# Altium PCB controller_V1.3.1.PcbDoc (part 6 of 7)
Units mm, origin at the board's own origin, x right, y up, seen from the top; angles counter-clockwise.
Board outline 244 x 150 mm, 2 copper layers (Top Layer, Bottom Layer), stack 1.98 mm thick; 438 components, 367 nets, 1493 pads, 9629 vias.
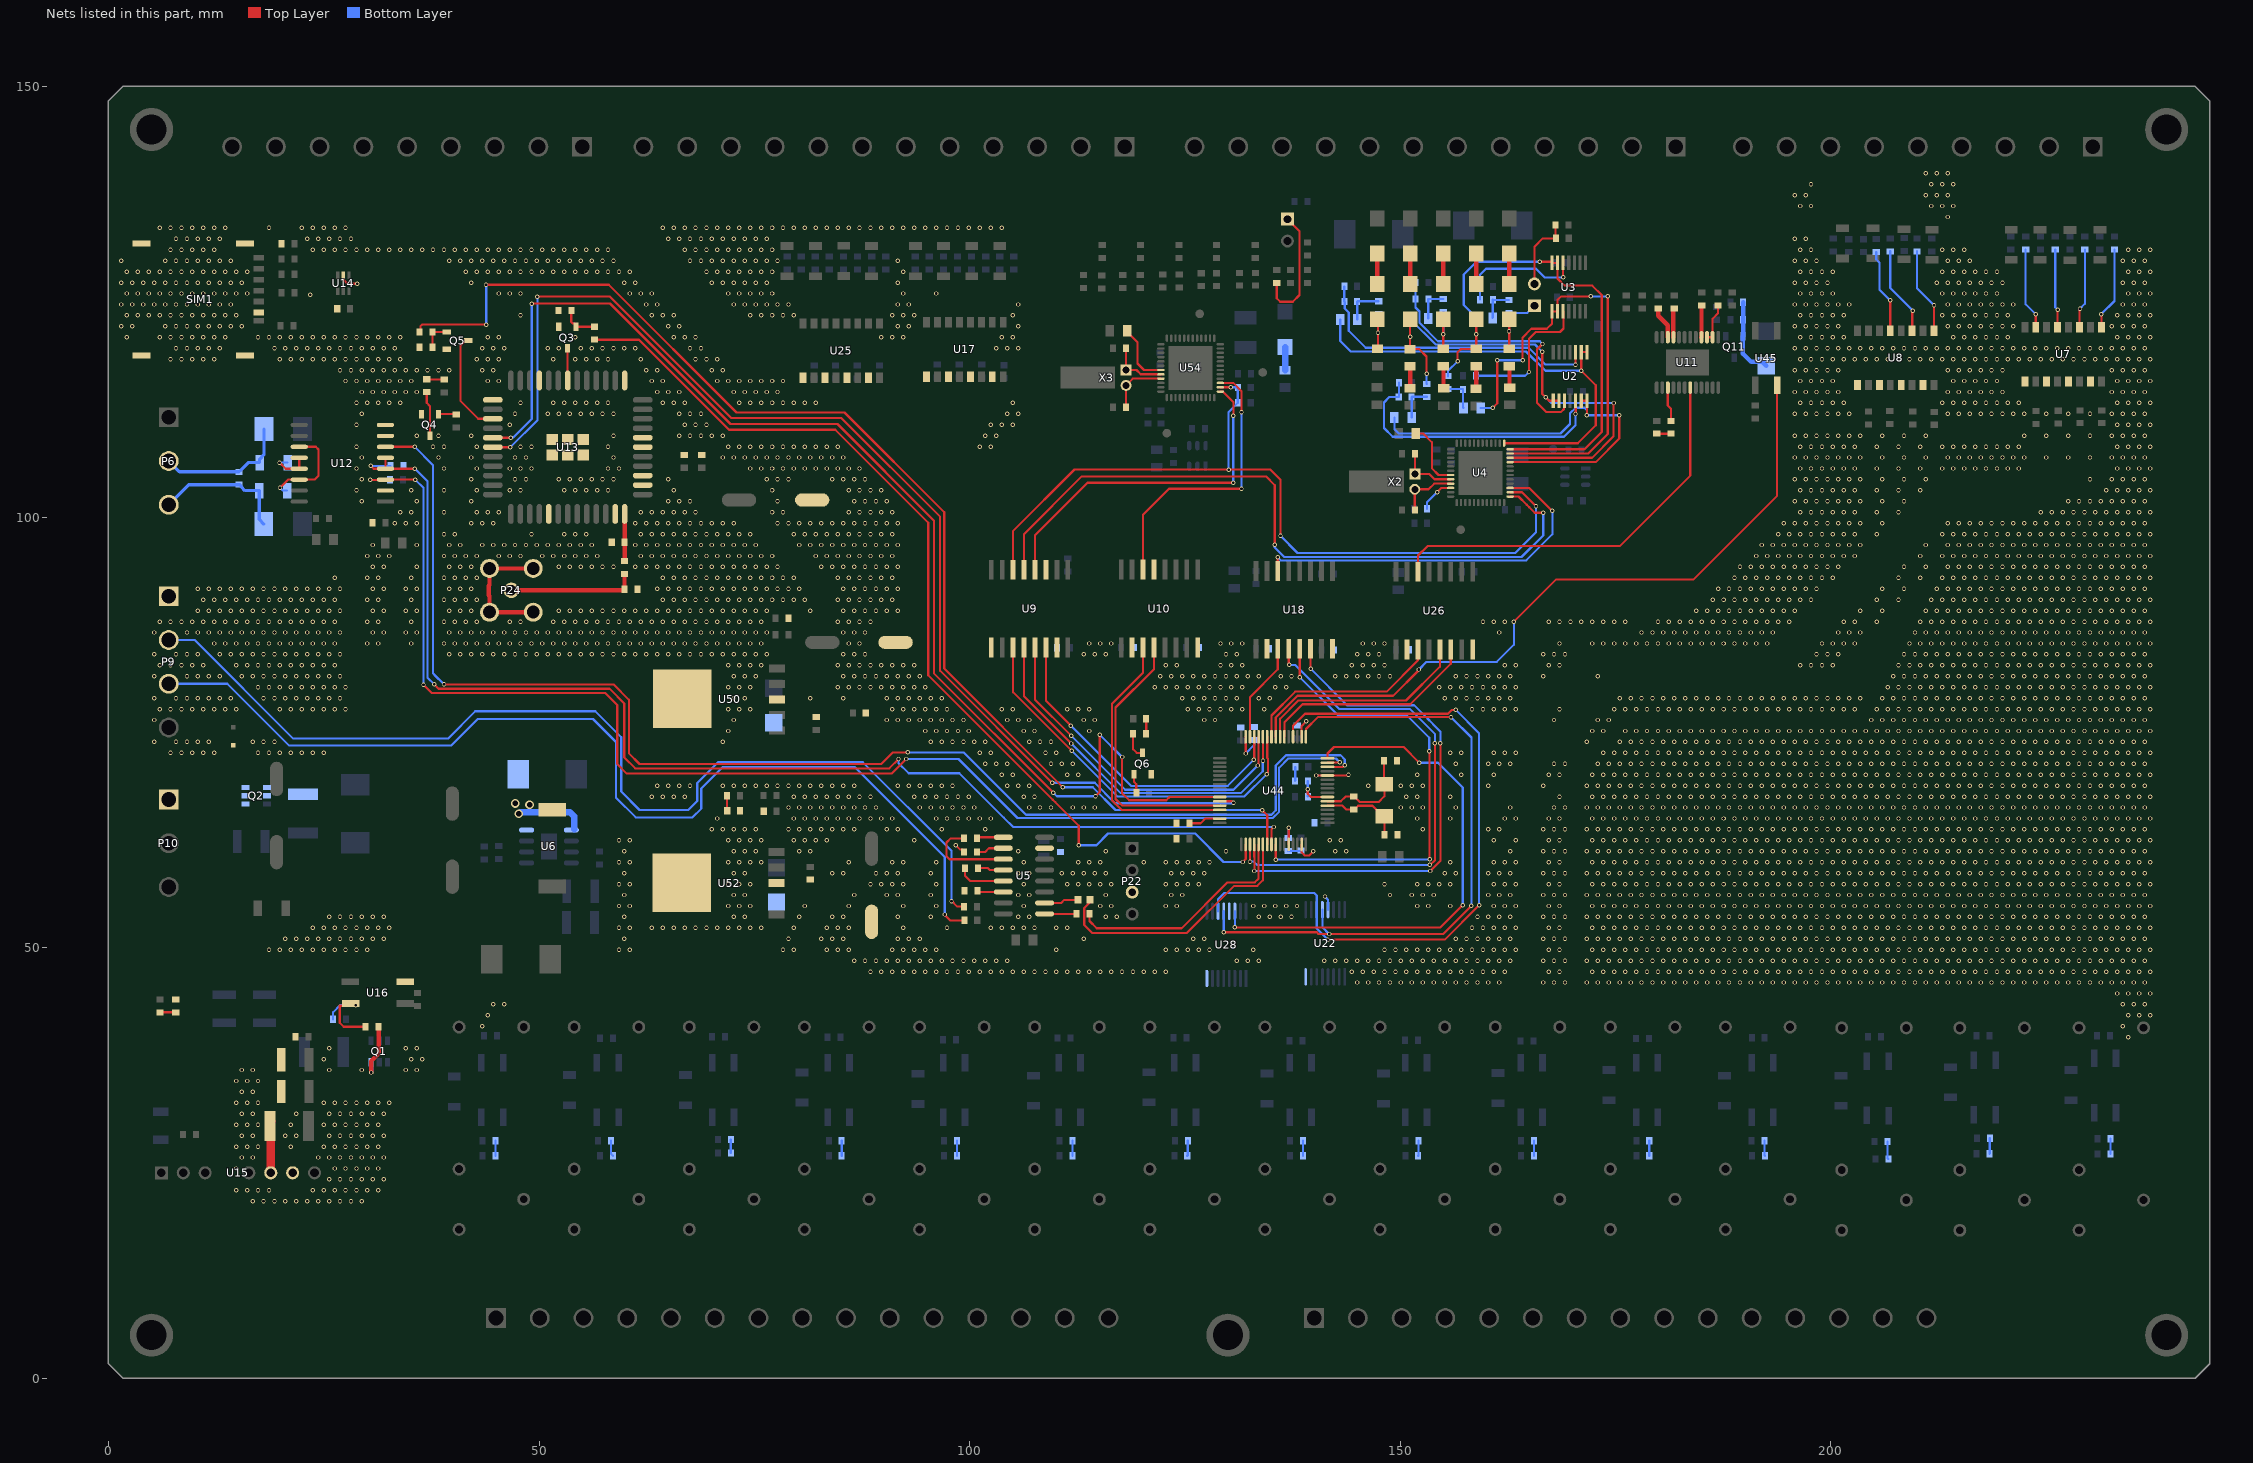
[diagram p6: the nets of this part, all layers, seen from the top]

## Via types
v1: diameter 0.508, hole 0.305, Top Layer to Bottom Layer, 9222 vias
v2: diameter 0.508, hole 0.305, Top Layer to Bottom Layer, tented both sides, 294 vias
v3: diameter 0.6, hole 0.3, Top Layer to Bottom Layer, 50 vias
v4: diameter 1.016, hole 0.635, Top Layer to Bottom Layer, tented both sides, 39 vias
v5: diameter 0.762, hole 0.508, Top Layer to Bottom Layer, tented both sides, 16 vias
v6: diameter 1.524, hole 1.016, Top Layer to Bottom Layer, tented both sides, 7 vias
v7: diameter 1.5, hole 1, Top Layer to Bottom Layer, 1 vias

## Nets (pads, with @x,y where several pads share a name; then routed paths per layer and width w, separated by ;. In a path a pad name is that pad's centre, name@x,y a point inside that pad or via, vN(x,y) a via of type N, cw(c..) or ccw(c..) an arc to the next point about the centre after c; other vN are vias at no path point) (continued)
GND: (continued)
  other v1: 228.822,96.749 230.092,96.749 231.362,96.749 232.632,96.749 233.902,96.749 235.172,96.749 236.442,96.749 38.957,98.019 40.227,98.019 49.117,98.019 52.927,98.019 54.197,98.019 55.467,98.019 61.817,98.019 63.087,98.019 64.357,98.019 65.627,98.019 66.897,98.019 68.167,98.019 69.437,98.019 70.707,98.019 71.977,98.019 73.247,98.019 74.517,98.019 79.597,98.019 80.867,98.019 82.137,98.019 83.407,98.019 84.677,98.019 85.947,98.019 87.217,98.019 88.487,98.019 89.757,98.019 91.027,98.019 193.897,98.019 195.167,98.019 196.437,98.019 197.707,98.019 198.977,98.019 200.247,98.019 201.517,98.019 202.787,98.019 205.327,98.019 212.947,98.019 214.217,98.019 215.487,98.019 216.757,98.019 218.027,98.019 219.297,98.019 220.567,98.019 221.837,98.019 223.107,98.019 224.377,98.019 225.647,98.019 226.917,98.019 228.187,98.019 229.457,98.019 230.727,98.019 231.997,98.019 233.267,98.019 234.537,98.019 235.807,98.019 237.077,98.019 33.242,99.289 34.512,99.289 35.782,99.289 42.132,99.289 43.402,99.289 44.672,99.289 61.182,99.289 62.452,99.289 63.722,99.289 64.992,99.289 66.262,99.289 67.532,99.289 68.802,99.289 70.072,99.289 71.342,99.289 72.612,99.289 77.692,99.289 78.962,99.289 80.232,99.289 81.502,99.289 82.772,99.289 84.042,99.289 85.312,99.289 86.582,99.289 87.852,99.289 89.122,99.289 90.392,99.289 91.662,99.289 194.532,99.289 195.802,99.289 197.072,99.289 198.342,99.289 199.612,99.289 200.882,99.289 202.152,99.289 203.422,99.289 205.962,99.289 213.582,99.289 214.852,99.289 216.122,99.289 217.392,99.289 218.662,99.289 219.932,99.289 221.202,99.289 222.472,99.289 223.742,99.289 225.012,99.289 226.282,99.289 227.552,99.289 228.822,99.289 230.092,99.289 231.362,99.289 232.632,99.289 233.902,99.289 235.172,99.289 236.442,99.289 33.877,100.559 35.147,100.559 38.957,100.559 42.767,100.559 44.037,100.559 45.307,100.559 61.817,100.559 63.087,100.559 64.357,100.559 65.627,100.559 66.897,100.559 68.167,100.559 77.057,100.559 78.327,100.559 85.947,100.559 87.217,100.559 88.487,100.559 89.757,100.559 91.027,100.559 196.437,100.559 197.707,100.559 198.977,100.559 200.247,100.559 201.517,100.559 202.787,100.559 205.327,100.559 207.867,100.559 224.377,100.559 225.647,100.559 226.917,100.559 228.187,100.559 229.457,100.559 230.727,100.559 231.997,100.559 233.267,100.559 234.537,100.559 235.807,100.559 237.077,100.559 29.432,101.829 35.782,101.829 42.132,101.829 64.992,101.829 66.262,101.829 67.532,101.829 77.692,101.829 86.582,101.829 87.852,101.829 89.122,101.829 90.392,101.829 195.802,101.829 197.072,101.829 198.342,101.829 199.612,101.829 200.882,101.829 202.152,101.829 203.422,101.829 205.962,101.829 208.502,101.829 227.552,101.829 228.822,101.829 230.092,101.829 231.362,101.829 232.632,101.829 233.902,101.829 235.172,101.829 236.442,101.829 28.797,103.099 35.147,103.099 38.957,103.099 42.767,103.099 46.577,103.099 47.847,103.099 52.927,103.099 54.197,103.099 55.467,103.099 56.737,103.099 58.007,103.099 65.627,103.099 77.057,103.099 85.947,103.099 87.217,103.099 88.487,103.099 89.757,103.099 196.437,103.099 197.707,103.099 198.977,103.099 200.247,103.099 201.517,103.099 202.787,103.099 205.327,103.099 207.867,103.099 210.407,103.099 231.997,103.099 233.267,103.099 234.537,103.099 235.807,103.099 237.077,103.099 29.432,104.369 42.132,104.369 47.212,104.369 48.482,104.369 52.292,104.369 53.562,104.369 54.832,104.369 56.102,104.369 57.372,104.369 58.642,104.369 64.992,104.369 76.422,104.369 77.692,104.369 78.962,104.369 84.042,104.369 85.312,104.369 86.582,104.369 87.852,104.369 195.802,104.369 197.072,104.369 198.342,104.369 199.612,104.369 200.882,104.369 202.152,104.369 203.422,104.369 205.962,104.369 208.502,104.369 211.042,104.369 230.092,104.369 232.632,104.369 233.902,104.369 235.172,104.369 236.442,104.369 28.797,105.639 38.957,105.639 42.767,105.639 46.577,105.639 47.847,105.639 49.117,105.639 58.007,105.639 59.277,105.639 74.517,105.639 75.787,105.639 77.057,105.639 78.327,105.639 79.597,105.639 80.867,105.639 82.137,105.639 83.407,105.639 84.677,105.639 85.947,105.639 87.217,105.639 196.437,105.639 197.707,105.639 198.977,105.639 200.247,105.639 201.517,105.639 202.787,105.639 205.327,105.639 207.867,105.639 210.407,105.639 212.947,105.639 214.217,105.639 215.487,105.639 216.757,105.639 218.027,105.639 219.297,105.639 220.567,105.639 221.837,105.639 233.267,105.639 234.537,105.639 235.807,105.639 237.077,105.639 29.432,106.909 38.322,106.909 42.132,106.909 47.212,106.909 48.482,106.909 58.642,106.909 71.342,106.909 72.612,106.909 73.882,106.909 75.152,106.909 76.422,106.909 77.692,106.909 78.962,106.909 80.232,106.909 81.502,106.909 82.772,106.909 84.042,106.909 85.312,106.909 195.802,106.909 197.072,106.909 198.342,106.909 199.612,106.909 200.882,106.909 202.152,106.909 203.422,106.909 205.962,106.909 208.502,106.909 211.042,106.909 213.582,106.909 214.852,106.909 216.122,106.909 217.392,106.909 218.662,106.909 219.932,106.909 221.202,106.909 222.472,106.909 225.012,106.909 227.552,106.909 230.092,106.909 232.632,106.909 233.902,106.909 235.172,106.909 236.442,106.909 28.797,108.179 37.687,108.179 38.957,108.179 42.767,108.179 47.847,108.179 49.117,108.179 58.007,108.179 71.977,108.179 73.247,108.179 74.517,108.179 75.787,108.179 77.057,108.179 78.327,108.179 79.597,108.179 80.867,108.179 82.137,108.179 83.407,108.179 84.677,108.179 101.187,108.179 102.457,108.179 196.437,108.179 197.707,108.179 198.977,108.179 200.247,108.179 201.517,108.179 202.787,108.179 205.327,108.179 207.867,108.179 210.407,108.179 212.947,108.179 214.217,108.179 215.487,108.179 216.757,108.179 218.027,108.179 219.297,108.179 220.567,108.179 221.837,108.179 233.267,108.179 234.537,108.179 235.807,108.179 237.077,108.179 35.782,109.449 38.322,109.449 42.132,109.449 58.642,109.449 66.262,109.449 67.532,109.449 68.802,109.449 70.072,109.449 71.342,109.449 101.822,109.449 103.092,109.449 195.802,109.449 197.072,109.449 198.342,109.449 199.612,109.449 200.882,109.449 202.152,109.449 203.422,109.449 205.962,109.449 208.502,109.449 211.042,109.449 222.472,109.449 225.012,109.449 227.552,109.449 230.092,109.449 232.632,109.449 233.902,109.449 235.172,109.449 236.442,109.449 28.797,110.719 46.577,110.719 66.897,110.719 68.167,110.719 69.437,110.719 102.457,110.719 103.727,110.719 104.997,110.719 233.267,110.719 234.537,110.719 235.807,110.719 237.077,110.719 29.432,111.989 47.212,111.989 51.022,111.989 52.292,111.989 53.562,111.989 54.832,111.989 56.102,111.989 57.372,111.989 58.642,111.989 66.262,111.989 67.532,111.989 68.802,111.989 104.362,111.989 105.632,111.989 195.802,111.989 197.072,111.989 198.342,111.989 199.612,111.989 200.882,111.989 202.152,111.989 213.582,111.989 214.852,111.989 216.122,111.989 217.392,111.989 218.662,111.989 219.932,111.989 221.202,111.989 222.472,111.989 225.012,111.989 227.552,111.989 230.092,111.989 232.632,111.989 233.902,111.989 235.172,111.989 236.442,111.989 28.797,113.259 30.067,113.259 31.337,113.259 32.607,113.259 33.877,113.259 47.847,113.259 51.657,113.259 52.927,113.259 54.197,113.259 55.467,113.259 56.737,113.259 58.007,113.259 64.357,113.259 65.627,113.259 66.897,113.259 73.247,113.259 74.517,113.259 75.787,113.259 77.057,113.259 78.327,113.259 79.597,113.259 80.867,113.259 82.137,113.259 104.997,113.259 196.437,113.259 197.707,113.259 198.977,113.259 200.247,113.259 201.517,113.259 212.947,113.259 214.217,113.259 215.487,113.259 216.757,113.259 218.027,113.259 219.297,113.259 220.567,113.259 221.837,113.259 233.267,113.259 234.537,113.259 235.807,113.259 237.077,113.259 29.432,114.529 30.702,114.529 31.972,114.529 33.242,114.529 34.512,114.529 35.782,114.529 63.722,114.529 64.992,114.529 66.262,114.529 72.612,114.529 73.882,114.529 75.152,114.529 76.422,114.529 77.692,114.529 195.802,114.529 197.072,114.529 198.342,114.529 199.612,114.529 200.882,114.529 213.582,114.529 214.852,114.529 216.122,114.529 217.392,114.529 218.662,114.529 219.932,114.529 232.632,114.529 233.902,114.529 235.172,114.529 236.442,114.529 27.527,115.799 28.797,115.799 30.067,115.799 31.337,115.799 32.607,115.799 33.877,115.799 35.147,115.799 44.037,115.799 45.307,115.799 63.087,115.799 64.357,115.799 70.707,115.799 71.977,115.799 73.247,115.799 74.517,115.799 75.787,115.799 77.057,115.799 78.327,115.799 196.437,115.799 197.707,115.799 198.977,115.799 200.247,115.799 214.217,115.799 215.487,115.799 216.757,115.799 218.027,115.799 219.297,115.799 233.267,115.799 234.537,115.799 235.807,115.799 237.077,115.799 26.892,117.069 28.162,117.069 29.432,117.069 30.702,117.069 31.972,117.069 33.242,117.069 34.512,117.069 35.782,117.069 37.052,117.069 38.322,117.069 39.592,117.069 43.402,117.069 44.672,117.069 62.452,117.069 63.722,117.069 70.072,117.069 71.342,117.069 195.802,117.069 197.072,117.069 198.342,117.069 199.612,117.069 200.882,117.069 213.582,117.069 214.852,117.069 216.122,117.069 217.392,117.069 218.662,117.069 219.932,117.069 232.632,117.069 233.902,117.069 235.172,117.069 236.442,117.069 7.207,118.339 8.477,118.339 9.747,118.339 11.017,118.339 12.287,118.339 19.907,118.339 21.177,118.339 22.447,118.339 23.717,118.339 24.987,118.339 26.257,118.339 27.527,118.339 28.797,118.339 30.067,118.339 31.337,118.339 32.607,118.339 33.877,118.339 42.767,118.339 44.037,118.339 45.307,118.339 51.657,118.339 54.197,118.339 55.467,118.339 56.737,118.339 58.007,118.339 61.817,118.339 68.167,118.339 69.437,118.339 70.707,118.339 196.437,118.339 197.707,118.339 198.977,118.339 200.247,118.339 201.517,118.339 202.787,118.339 204.057,118.339 205.327,118.339 206.597,118.339 207.867,118.339 209.137,118.339 210.407,118.339 211.677,118.339 212.947,118.339 214.217,118.339 215.487,118.339 216.757,118.339 218.027,118.339 219.297,118.339 220.567,118.339 221.837,118.339 223.107,118.339 224.377,118.339 225.647,118.339 226.917,118.339 228.187,118.339 229.457,118.339 230.727,118.339 231.997,118.339 233.267,118.339 234.537,118.339 235.807,118.339 237.077,118.339 7.842,119.609 9.112,119.609 10.382,119.609 11.652,119.609 12.922,119.609 19.272,119.609 20.542,119.609 21.812,119.609 23.082,119.609 24.352,119.609 25.622,119.609 26.892,119.609 28.162,119.609 29.432,119.609 30.702,119.609 31.972,119.609 33.242,119.609 43.402,119.609 44.672,119.609 45.942,119.609 51.022,119.609 52.292,119.609 54.832,119.609 56.102,119.609 57.372,119.609 58.642,119.609 59.912,119.609 61.182,119.609 67.532,119.609 68.802,119.609 103.092,119.609 104.362,119.609 105.632,119.609 195.802,119.609 197.072,119.609 198.342,119.609 199.612,119.609 200.882,119.609 202.152,119.609 203.422,119.609 204.692,119.609 205.962,119.609 207.232,119.609 208.502,119.609 209.772,119.609 211.042,119.609 212.312,119.609 213.582,119.609 214.852,119.609 216.122,119.609 217.392,119.609 218.662,119.609 219.932,119.609 221.202,119.609 222.472,119.609 223.742,119.609 225.012,119.609 226.282,119.609 227.552,119.609 228.822,119.609 230.092,119.609 231.362,119.609 232.632,119.609 233.902,119.609 235.172,119.609 236.442,119.609 2.127,120.879 5.937,120.879 7.207,120.879 8.477,120.879 9.747,120.879 11.017,120.879 12.287,120.879 13.557,120.879 17.367,120.879 18.637,120.879 19.907,120.879 21.177,120.879 22.447,120.879 23.717,120.879 24.987,120.879 26.257,120.879 27.527,120.879 28.797,120.879 30.067,120.879 31.337,120.879 32.607,120.879 33.877,120.879 44.037,120.879 45.307,120.879 54.197,120.879 65.627,120.879 66.897,120.879 68.167,120.879 89.757,120.879 91.027,120.879 92.297,120.879 103.727,120.879 104.997,120.879 196.437,120.879 197.707,120.879 198.977,120.879 200.247,120.879 201.517,120.879 214.217,120.879 215.487,120.879 216.757,120.879 218.027,120.879 219.297,120.879 220.567,120.879 233.267,120.879 234.537,120.879 235.807,120.879 237.077,120.879 1.492,122.149 2.762,122.149 6.572,122.149 7.842,122.149 9.112,122.149 10.382,122.149 11.652,122.149 12.922,122.149 14.192,122.149 15.462,122.149 64.992,122.149 66.262,122.149 91.662,122.149 92.932,122.149 105.632,122.149 195.802,122.149 197.072,122.149 198.342,122.149 199.612,122.149 200.882,122.149 213.582,122.149 214.852,122.149 216.122,122.149 217.392,122.149 218.662,122.149 219.932,122.149 221.202,122.149 232.632,122.149 233.902,122.149 235.172,122.149 236.442,122.149 2.127,123.419 3.397,123.419 4.667,123.419 5.937,123.419 7.207,123.419 8.477,123.419 9.747,123.419 11.017,123.419 12.287,123.419 13.557,123.419 14.827,123.419 47.847,123.419 63.087,123.419 64.357,123.419 65.627,123.419 74.517,123.419 75.787,123.419 77.057,123.419 78.327,123.419 79.597,123.419 91.027,123.419 92.297,123.419 93.567,123.419 104.997,123.419 196.437,123.419 197.707,123.419 198.977,123.419 200.247,123.419 201.517,123.419 212.947,123.419 214.217,123.419 215.487,123.419 216.757,123.419 218.027,123.419 219.297,123.419 220.567,123.419 233.267,123.419 234.537,123.419 235.807,123.419 237.077,123.419 1.492,124.689 2.762,124.689 4.032,124.689 5.302,124.689 6.572,124.689 7.842,124.689 9.112,124.689 10.382,124.689 11.652,124.689 12.922,124.689 14.192,124.689 62.452,124.689 63.722,124.689 72.612,124.689 73.882,124.689 75.152,124.689 76.422,124.689 77.692,124.689 78.962,124.689 91.662,124.689 92.932,124.689 105.632,124.689 195.802,124.689 197.072,124.689 198.342,124.689 199.612,124.689 200.882,124.689 202.152,124.689 213.582,124.689 214.852,124.689 216.122,124.689 217.392,124.689 218.662,124.689 219.932,124.689 221.202,124.689 233.902,124.689 235.172,124.689 236.442,124.689 2.127,125.959 3.397,125.959 4.667,125.959 5.937,125.959 7.207,125.959 8.477,125.959 9.747,125.959 11.017,125.959 12.287,125.959 13.557,125.959 14.827,125.959 16.097,125.959 45.307,125.959 46.577,125.959 47.847,125.959 60.547,125.959 61.817,125.959 63.087,125.959 71.977,125.959 73.247,125.959 74.517,125.959 75.787,125.959 77.057,125.959 92.297,125.959 96.107,125.959 196.437,125.959 197.707,125.959 198.977,125.959 200.247,125.959 212.947,125.959 214.217,125.959 215.487,125.959 216.757,125.959 218.027,125.959 219.297,125.959 234.537,125.959 235.807,125.959 237.077,125.959 1.492,127.229 2.762,127.229 4.032,127.229 5.302,127.229 6.572,127.229 7.842,127.229 9.112,127.229 10.382,127.229 11.652,127.229 12.922,127.229 14.192,127.229 15.462,127.229 42.132,127.229 59.912,127.229 61.182,127.229 70.072,127.229 71.342,127.229 72.612,127.229 73.882,127.229 75.152,127.229 76.422,127.229 91.662,127.229 195.802,127.229 197.072,127.229 198.342,127.229 199.612,127.229 212.312,127.229 213.582,127.229 214.852,127.229 216.122,127.229 217.392,127.229 218.662,127.229 219.932,127.229 233.902,127.229 235.172,127.229 236.442,127.229 2.127,128.499 3.397,128.499 4.667,128.499 5.937,128.499 7.207,128.499 8.477,128.499 9.747,128.499 11.017,128.499 12.287,128.499 13.557,128.499 14.827,128.499 16.097,128.499 41.497,128.499 42.767,128.499 44.037,128.499 45.307,128.499 46.577,128.499 47.847,128.499 49.117,128.499 50.387,128.499 51.657,128.499 52.927,128.499 54.197,128.499 55.467,128.499 56.737,128.499 58.007,128.499 59.277,128.499 60.547,128.499 69.437,128.499 70.707,128.499 71.977,128.499 73.247,128.499 74.517,128.499 75.787,128.499 77.057,128.499 92.297,128.499 196.437,128.499 197.707,128.499 198.977,128.499 200.247,128.499 212.947,128.499 214.217,128.499 215.487,128.499 216.757,128.499 218.027,128.499 219.297,128.499 234.537,128.499 235.807,128.499 237.077,128.499 1.492,129.769 6.572,129.769 7.842,129.769 9.112,129.769 10.382,129.769 11.652,129.769 12.922,129.769 14.192,129.769 39.592,129.769 40.862,129.769 42.132,129.769 43.402,129.769 44.672,129.769 45.942,129.769 47.212,129.769 48.482,129.769 49.752,129.769 51.022,129.769 52.292,129.769 53.562,129.769 54.832,129.769 56.102,129.769 57.372,129.769 58.642,129.769 67.532,129.769 68.802,129.769 70.072,129.769 71.342,129.769 72.612,129.769 73.882,129.769 75.152,129.769 76.422,129.769 77.692,129.769 91.662,129.769 195.802,129.769 197.072,129.769 198.342,129.769 213.582,129.769 214.852,129.769 216.122,129.769 233.902,129.769 235.172,129.769 236.442,129.769 7.207,131.039 8.477,131.039 9.747,131.039 11.017,131.039 12.287,131.039 23.717,131.039 24.987,131.039 26.257,131.039 27.527,131.039 28.797,131.039 30.067,131.039 31.337,131.039 32.607,131.039 33.877,131.039 35.147,131.039 36.417,131.039 37.687,131.039 38.957,131.039 40.227,131.039 41.497,131.039 42.767,131.039 44.037,131.039 45.307,131.039 46.577,131.039 47.847,131.039 49.117,131.039 50.387,131.039 51.657,131.039 52.927,131.039 54.197,131.039 55.467,131.039 56.737,131.039 58.007,131.039 66.897,131.039 68.167,131.039 69.437,131.039 70.707,131.039 71.977,131.039 73.247,131.039 74.517,131.039 75.787,131.039 77.057,131.039 196.437,131.039 197.707,131.039 212.947,131.039 214.217,131.039 215.487,131.039 234.537,131.039 235.807,131.039 237.077,131.039 7.842,132.309 9.112,132.309 10.382,132.309 11.652,132.309 12.922,132.309 23.082,132.309 24.352,132.309 25.622,132.309 26.892,132.309 28.162,132.309 64.992,132.309 66.262,132.309 67.532,132.309 68.802,132.309 70.072,132.309 71.342,132.309 72.612,132.309 73.882,132.309 75.152,132.309 76.422,132.309 195.802,132.309 197.072,132.309 5.937,133.579 7.207,133.579 8.477,133.579 9.747,133.579 11.017,133.579 12.287,133.579 13.557,133.579 18.637,133.579 22.447,133.579 23.717,133.579 24.987,133.579 26.257,133.579 27.527,133.579 64.357,133.579 65.627,133.579 66.897,133.579 68.167,133.579 69.437,133.579 70.707,133.579 71.977,133.579 73.247,133.579 74.517,133.579 75.787,133.579 77.057,133.579 78.327,133.579 79.597,133.579 80.867,133.579 82.137,133.579 83.407,133.579 84.677,133.579 85.947,133.579 87.217,133.579 88.487,133.579 89.757,133.579 91.027,133.579 92.297,133.579 93.567,133.579 94.837,133.579 96.107,133.579 97.377,133.579 98.647,133.579 99.917,133.579 101.187,133.579 102.457,133.579 103.727,133.579 213.582,134.849 196.437,136.119 197.707,136.119 211.677,136.119 212.947,136.119 214.217,136.119 195.802,137.389 197.072,137.389 211.042,137.389 212.312,137.389 213.582,137.389 197.707,138.659 211.677,138.659 212.947,138.659 214.217,138.659 211.042,139.929 212.312,139.929 213.582,139.929
  other v2: 23.444,125.832
IN_RCK: U22.12 U28.12 U44.17 | length 77
  Top Layer w0.254: v2(129.5,51.776) 140.324,51.776 140.513,51.587 v2(141.757,51.587) ; U44.17@139.053,74.491 139.053,75.386 140.437,76.77 v2(155.894,76.77) ; v2@141.732,51.587 v2(141.757,51.587) ; v2(158.267,54.864) 154.991,51.587 v2(141.757,51.587)
  Bottom Layer w0.254: v2(129.5,51.776) U28.12@129.5,54.229 ; U22.12@140.966,54.409 140.966,52.353 v2@141.732,51.587 ; v2(155.894,76.77) 158.267,74.397 v2(158.267,54.864)
IN_SCK: U22.11 U28.11 U44.20 | length 83.2
  Top Layer w0.254: U44.20@137.553,74.491 137.553,75.755 138.951,77.153 155.558,77.153 155.998,77.592 156.409,77.592 v2(156.439,77.622) ; v2(141.605,50.927) 155.169,50.927 v2(159.156,54.915)
  Bottom Layer w0.254: U28.11@128.85,54.229 128.85,55.622 129.565,56.337 140.031,56.337 140.316,56.052 U22.11@140.316,54.409 140.316,52.216 v2(141.605,50.927) ; v2(156.439,77.622) 159.156,74.905 159.156,57.328 ; v2(159.156,54.915) 159.156,57.328 ; 159.156,56.998 159.156,57.328
IN_SI: U28.14 U44.16 | length 64.3
  Top Layer w0.254: v2(130.8,52.349) 133.579,52.349 ; v2@130.861,52.349 133.579,52.349 ; U44.16@141.553,71.991 141.553,72.541 142.316,73.304 150.393,73.304 v2(152.222,71.476) ; v2(157.251,54.94) 154.661,52.349 133.579,52.349
  Bottom Layer w0.254: v2(130.8,52.349) U28.14@130.8,54.229 ; v2(152.222,71.476) 154.381,71.476 157.251,68.605 v2(157.251,54.94)
IO0: U44.24 U45.2 | length 85.5
  Top Layer w0.254: U44.24@135.553,74.491 135.553,76.733 138.068,79.248 149.174,79.248 v2@152.171,82.245 ; v2(163.195,87.859) 168.072,92.735 184.023,92.735 193.765,102.477 U45.2@193.765,115.291
  Bottom Layer w0.254: v2(152.171,82.296) 153.06,83.185 161.214,83.185 163.195,85.166 v2(163.195,87.859)
IOUT0: C112.2 D8.1 Q11.2 R72.2 | length 9.3
  Bottom Layer w0.508: C112.2@189.828,124.943 189.812,124.927 189.812,121.022 Q11.2@189.796,121.006 189.796,118.975 190.745,118.026 192.045,118.026 D8.1@192.495,117.577